# Altium PCB PCB_Kasli.PCBDOC (part 13 of 16)
Units mm, origin at the board's own origin, x right, y up, seen from the top; angles counter-clockwise.
Board outline 200.3 x 100 mm, 6 copper layers (TopLayer, MidLayer1, MidLayer2, SignalLayer1, Internal Plane 1, BottomLayer), stack 1.528 mm thick; 775 components, 636 nets, 3136 pads, 1724 vias.
Unrouted connection lines stored in the file: 7.
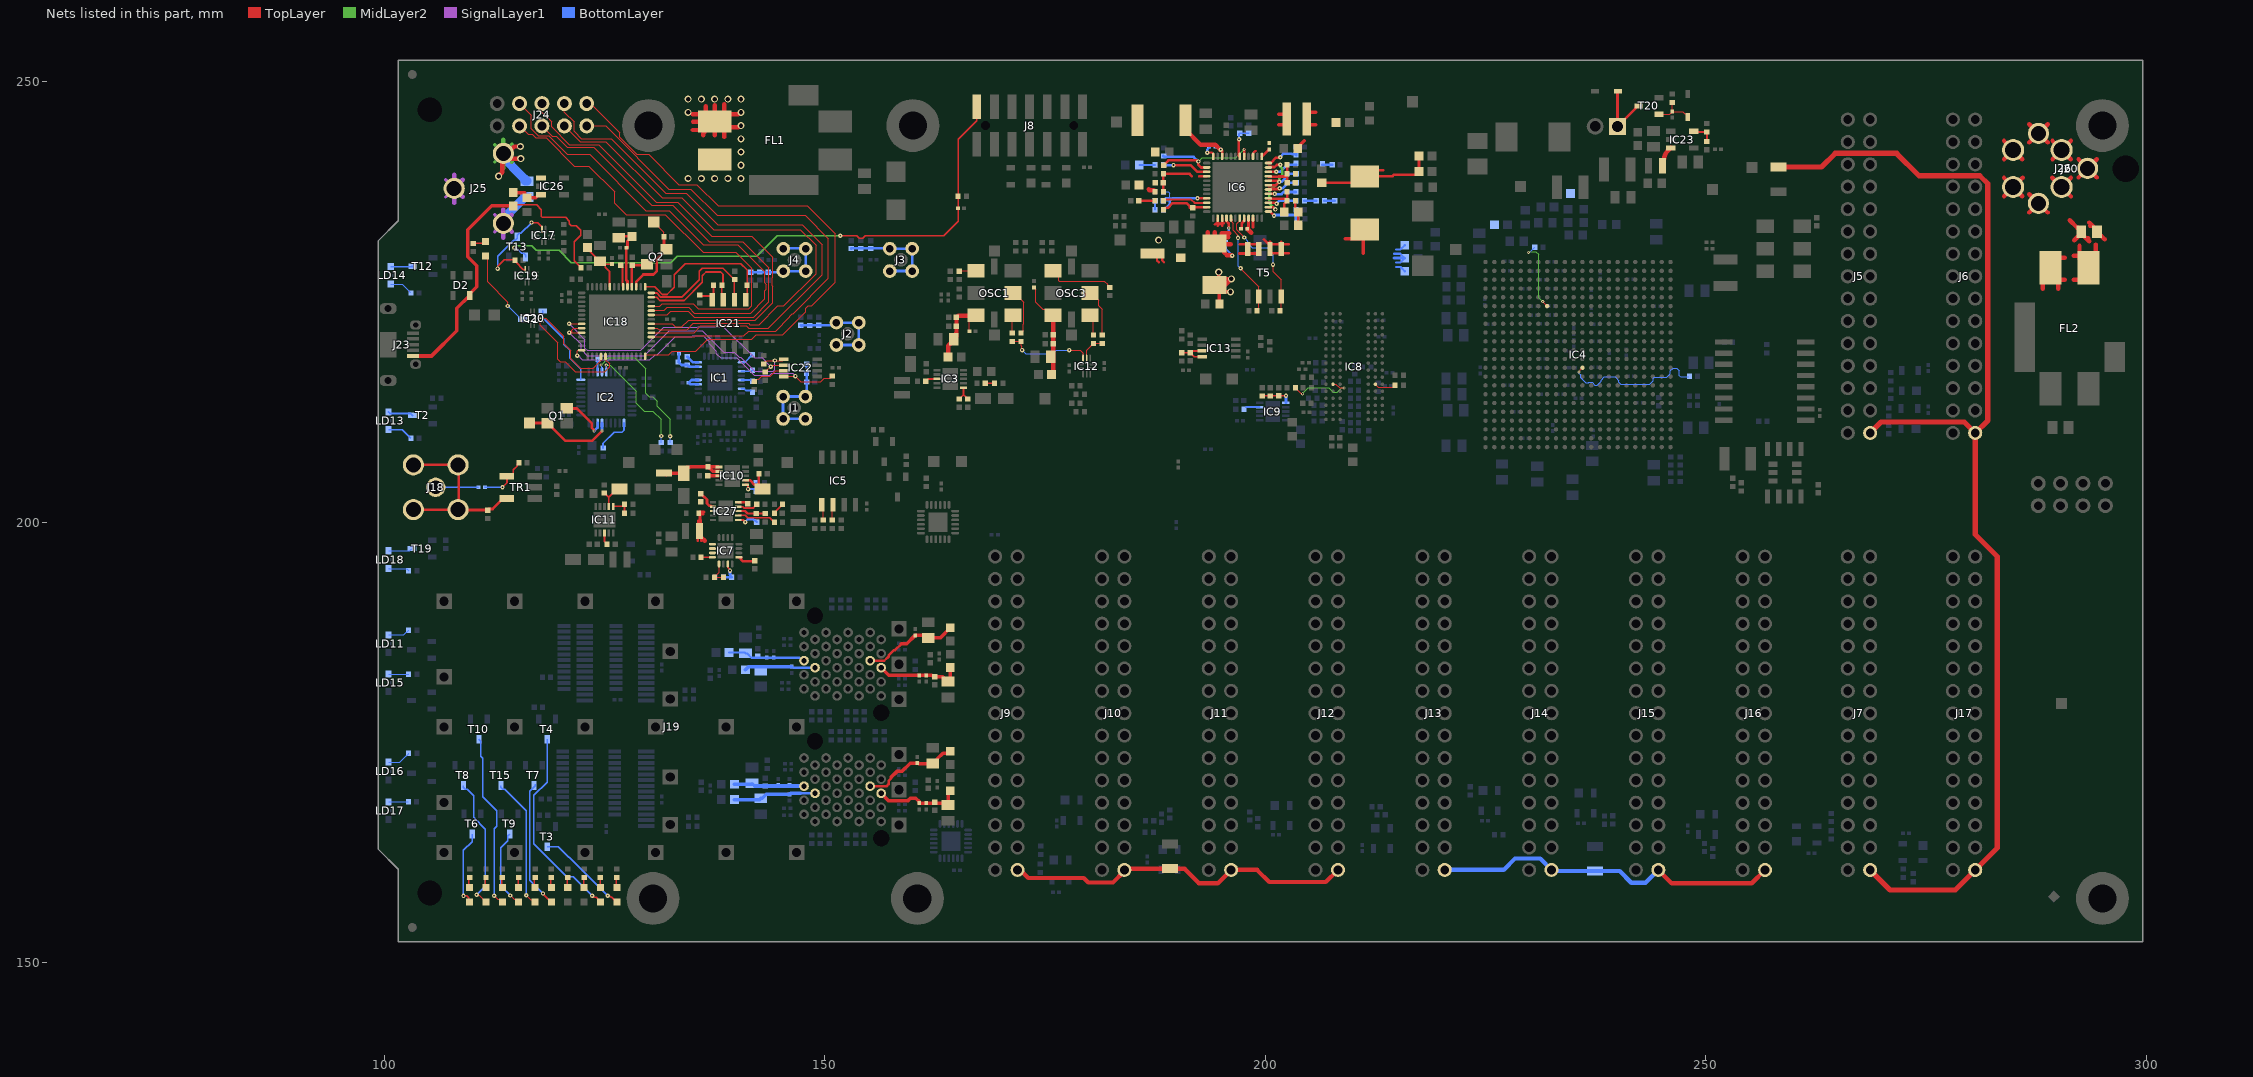
[diagram p17: the nets of this part, all layers, seen from the top]

## Via types
v1: diameter 0.5, hole 0.2, TopLayer to BottomLayer, tented both sides, 845 vias
v2: diameter 0.35, hole 0.15, TopLayer to BottomLayer, tented both sides, 612 vias
v3: diameter 0.8, hole 0.5, TopLayer to BottomLayer, tented both sides, 144 vias
v4: diameter 0.8, hole 0.5, TopLayer to BottomLayer, 66 vias
v5: diameter 0.5, hole 0.2, TopLayer to BottomLayer, 57 vias

## Nets (pads, with @x,y where several pads share a name; then routed paths per layer and width w, separated by ;. In a path a pad name is that pad's centre, name@x,y a point inside that pad or via, vN(x,y) a via of type N, cw(c..) or ccw(c..) an arc to the next point about the centre after c; other vN are vias at no path point) (continued)
NetC43_2: C43.2 C44.2 J1.2 R29.2 | length 11.3
  BottomLayer w0.3: J1.2@147.811,211.709 J1.2@145.271,211.709 J1.2@145.271,214.249 J1.2@147.811,214.249 147.95,214.388 C44.2@147.95,215.9 C43.2@147.95,217.901
NetC45_1: C45.1 IC11.7 R25.2 | length 3.4
  TopLayer w0.2: R25.2@125,203.28 125.02,203.28 125.5,202.8 ; IC11.7@125.5,201.75 125.5,202.8 ; C45.1@126.7,203.75 126.425,203.75 125.5,202.825 125.5,202.8
NetC46_2: C46.2 C47.2 J2.2 R30.2 | length 11.9
  BottomLayer w0.3: C46.2@147.391,222.259 C46.2@147.299,222.35 151.035,222.35 J2.2@151.326,222.641 J2.2@153.866,222.641 J2.2@153.866,220.101 J2.2@151.326,220.101
NetC48_2: C48.2 C144.2 J3.2 R31.2 | length 12
  BottomLayer w0.3: C48.2@152.999,231.05 153.016,231.067 J3.2@157.378,231.067 ; J3.2@157.382,228.493 J3.2@159.922,228.493 J3.2@159.922,231.033 J3.2@157.382,231.033
NetC49_2: C49.2 IC1.3 IC1.4 | length 2.4
  BottomLayer w0.3: C49.2@134.55,215.8 C49.2@134.575,215.8 ; IC1.3@135.65,215.628 134.747,215.628 C49.2@134.575,215.8 ; IC1.4@135.65,216.128 134.878,216.128 134.625,215.875 134.625,215.85 C49.2@134.575,215.8
NetC53_2: C53.2 J8.13 R58.1 T13.1 | length 69.1
  TopLayer w0.15: v1(151.75,232.5) 153.628,232.5 153.903,232.225 154.297,232.225 154.572,232.5 163.5,232.5 165.15,234.15 165.15,243.475 167.25,245.575 J8.13@167.25,247.125
  MidLayer2 w0.15: v1(114.775,231.15) 114.986,231.361 116.739,231.361 117.275,230.825 119.85,230.825 121.225,229.45 132.525,229.45 133.25,230.175 142.3,230.175 144.625,232.5 v1(151.75,232.5)
  BottomLayer w0.15: v1(114.775,231.15) 114.842,231.083 115.042,231.083 115.641,230.484 115.825,230.484 116.05,230.259 T13.1@116.05,230.075
NetC126_1: C126.1 IC6.40 R59.1 R60.2 | length 4.2
  TopLayer w0.3: IC6.40@200.35,236.748 200.4,236.698 R59.1@202.37,236.698 ; C126.1@202.146,235.204 202.146,236.121 R59.1@202.325,236.3 ; R59.1@202.476,236.474 R60.2@202.476,237.49
NetC126_2: C126.2 C127.2 C128.2 L6.2 L7.1 L27.1 R59.2 | length 19
  TopLayer w0.3: R59.2@203.416,236.474 203.416,235.534 C126.2@203.746,235.204 C127.2@203.746,233.68 ; C128.2@206.4,238.5 210.6,238.5 212.05,239.95 213.4,239.95 ; L6.2@211.25,238.5 211.25,238.525 211.975,239.25 214.443,239.25 214.617,239.424 217.086,239.424 L27.1@217.436,239.774 L7.1@217.436,241.552
NetC134_1: C134.1 IC6.33 IC6.34 L6.1 T5.5 T5.6 | length 14.2
  TopLayer w0.3: C134.1@198.1,233.463 IC6.33@198.1,234.498 ; 198.6,233.453 IC6.34@198.6,234.498 ; 199.85,232.075 200.3,231.625 200.385,231.625 T5.6@200.533,231.477 ; 200.533,231.808 T5.6@200.533,231.477 ; T5.6@200.7,230.55 T5.6@200.535,230.715 ; T5.5@201.803,231.503 T5.5@201.803,231.525 ; 201.803,231.808 T5.5@201.803,231.525 ; 202.625,230.5 200.685,230.5 200.535,230.65 T5.6@200.535,230.715 ; 202.65,231.525 T5.5@201.803,231.525 ; T5.6@200.533,231.477 200.535,231.475 T5.6@200.535,231.375 ; T5.6@200.533,231.477 200.533,230.717 T5.6@200.535,230.715 ; T5.6@200.535,230.715 T5.6@200.535,231 T5.6@200.535,231.375 ; T5.6@200.535,231.375 200.685,231.525 T5.5@201.803,231.525
  TopLayer w0.4: 209.054,232.154 211.112,232.154 211.112,230.488
  TopLayer w0.5: C134.1@197.95,233.3 198.404,232.846
NetC134_2: C134.2 IC6.32 | length 1.3
  TopLayer w0.3: C134.2@197.275,233.3 197.325,233.35 197.325,233.898 197.489,234.062 197.489,234.112 197.6,234.223 IC6.32@197.6,234.498
NetC135_2: C135.2 C139.2 L8.2 L9.1 R62.2 | length 4.2
  TopLayer w0.4: C135.2@203.7,242.4 203.975,242.675 203.975,242.825 204.429,243.279 ; 205.7,245.1 205.006,245.1 204.716,245.39 L8.2@204.716,245.745 204.716,246.21 205.006,246.5 205.7,246.5
NetC138_2: C138.2 R63.1 | length 1.2
  BottomLayer w0.3: R63.1@206.718,236.474 C138.2@207.888,236.474
NetC139_1: C139.1 IC6.45 R62.1 R68.2 | length 4.5
  TopLayer w0.3: IC6.45@200.35,239.248 200.4,239.198 201.469,239.198 201.494,239.223 202.476,239.223 R62.1@202.476,239.522 ; C139.1@202.496,238.506 202.496,239.522 R68.2@202.496,240.518
NetC140_1: C140.1 IC6.26 IC6.27 L14.1 T5.7 T5.8 | length 23.6
  TopLayer w0.254: 194.225,233.775 ccw(c194.051,234.324) IC6.26@194.58,234.097 ; IC6.26@194.6,234.15 cw(c194.051,234.324) IC6.26@194.58,234.097 ; 194.8,233.775 ccw(c194.589,234.287) 195.073,234.02 ; 194.85,233.8 cw(c195.074,234.274) 194.6,234.05 cw(c195.074,234.274) IC6.26@194.58,234.097 ; 195.1,233.975 cw(c195.487,234.236) 195.073,234.02 ; IC6.27@195.1,234.075 cw(c194.589,234.287) 195.073,234.02 ; IC6.27@195.102,234.23 ccw(c195.562,234.311) 195.3,233.925
  TopLayer w0.3: 194.6,233.625 194.6,234.05 194.6,234.15 IC6.26@194.6,234.498 ; 195.1,233.625 195.1,233.975 195.1,234.075 IC6.27@195.1,234.498 ; L14.1@195.326,230.924 195.326,231.543 L14.1@195.326,232.002 ; 197.05,230.475 199.115,230.475 199.265,230.625 T5.7@199.265,231 199.265,231.375 199.115,231.525 197.1,231.525
  TopLayer w0.5: 193.45,232.875 193.45,231.501 194.078,231.883 194.111,231.903 L14.1@194.25,231.988 ; 194.25,232.9 L14.1@194.25,231.988 ; 195.8,232.35 194.924,232.35 194.25,231.676 L14.1@194.25,231.988 ; 195.9,232.775 195.05,232.775 195.05,232.476 L14.1@194.25,231.988 ; 196.057,231.543 195.326,231.543 L14.1@194.632,231.543 ; v1@196.2,230.3 195.643,230.3 195.35,230.593 195.35,230.825 L14.1@194.632,231.543 ; L14.1@194.632,231.543 194.307,231.543 L14.1@194.25,231.6 194.575,231.6 L14.1@194.632,231.543
  BottomLayer w0.15: C140.1@195.58,231.806 195.58,230.962 196.25,230.292 v1(196.25,230.25)
NetC140_2: C140.2 IC6.28 | length 2.2
  TopLayer w0.3: IC6.28@195.6,234.498 195.6,234.162 195.85,233.912 v2(195.85,233.375)
  BottomLayer w0.3: C140.2@195.58,232.506 195.58,232.605 195.85,232.875 v2(195.85,233.375)
NetC142_2: C142.2 R70.1 | length 1.1
  BottomLayer w0.3: R70.1@206.464,240.538 206.47,240.538 C142.2@207.576,240.538
NetC143_1: C143.1 IC6.3 L8.1 | length 3.5
  TopLayer w0.254: IC6.3@198.6,241.498 cw(c199.088,241.637) 198.95,242.125
  TopLayer w0.4: 201.5,245.1 202.156,245.1 202.446,245.39 L8.1@202.446,245.745 202.446,246.01 202.156,246.3 201.5,246.3
NetC143_2: C143.2 IC6.1 | length 1.1
  TopLayer w0.3: IC6.1@199.6,241.498 C143.2@200.406,242.304
NetC145_2: C145.2 C146.2 C147.2 C150.2 L11.1 L12.1 L13.1 L14.2 L15.1 L28.1 R75.2 | length 20.1
  TopLayer w0.25: C147.2@187.2,230.5 C147.2@187.254,230.5 ; 187.9,229.5 187.704,229.696 187.704,230.05 C147.2@187.254,230.5 ; 188.5,229.5 188.304,229.696 188.304,230.05 187.854,230.5 C147.2@187.254,230.5
  TopLayer w0.4: L14.2@194.25,226.9 194.288,226.862 L14.2@194.326,226.824 ; v3(194.716,228.371) L14.2@194.716,227.6 ; C146.2@194.8,224.75 194.8,226.275 L14.2@194.25,226.824 ; L14.2@195.374,226.824 L14.2@194.326,226.824 ; v3(196.05,226.125) 195.025,226.125 L14.2@194.326,226.824 ; v3(196.15,227.6) L14.2@194.716,227.6 ; L14.2@194.25,226.824 L14.2@194.326,226.824 ; L14.2@194.25,226.824 194.716,227.291 L14.2@194.716,227.6
  TopLayer w0.5: L14.2@195.374,226.824 v3(196.15,227.6)
  BottomLayer w0.2: R75.2@187.49,235.458 C150.2@187.49,236.454
  BottomLayer w0.25: 214.619,230.45 215.319,230.45 L11.1@215.819,229.95 215.319,229.45 214.869,229.45 ; 214.869,228.95 215.344,228.95 L28.1@215.819,228.475 ; 214.869,230.95 215.344,230.95 L12.1@215.819,231.425
  BottomLayer w0.35: 214.619,229.95 L11.1@215.819,229.95
  other v3: 187.9,232
NetC150_1: C150.1 IC6.21 R75.1 R77.2 | length 8.7
  TopLayer w0.3: v1(192.309,236.748) IC6.21@193.35,236.748
  BottomLayer w0.1: C150.1@188.41,236.474 189.174,236.474 ; R77.2@188.43,237.49 189,237.49 189.174,237.316 189.174,236.748
  BottomLayer w0.3: C150.1@188.41,236.474 188.684,236.748 189.174,236.748 ; R75.1@188.43,235.458 188.536,235.458 189.174,236.096 189.174,236.474 189.448,236.748 v1(192.309,236.748)
NetC151_1: C151.1 IC6.10 L16.1 | length 6.5
  TopLayer w0.25: v1(194.95,242.275) v1@195.1,242.125
  TopLayer w0.3: IC6.10@195.1,241.498 v1@195.1,242.125
  TopLayer w0.5: L16.1@190.939,244.544 192.659,242.824 194.31,242.824 194.859,242.275 v1(194.95,242.275)
  BottomLayer w0.25: C151.1@194.406,242.57 194.701,242.275 v1(194.95,242.275)
NetC151_2: C151.2 IC6.12 | length 1.8
  TopLayer w0.25: v1(193.421,241.935) 193.915,241.935 194.1,241.75 IC6.12@194.1,241.498
  BottomLayer w0.25: v1(193.421,241.935) 193.421,242.285 193.693,242.557 C151.2@193.706,242.57
NetC152_2: C152.2 R79.1 | length 1.8
  BottomLayer w0.25: C152.2@185.712,240.538 R79.1@187.49,240.538
NetC153_2: C153.2 C155.2 L16.2 L17.1 R83.2 | length 0.8
  TopLayer w0.508: 186.75,237.75 186.846,237.654 187.326,237.654 R83.2@187.49,237.49
NetC155_1: C155.1 IC6.16 R83.1 R84.2 | length 6.2
  TopLayer w0.3: R83.1@188.43,237.49 188.43,238.506 R84.2@188.43,239.522 191.389,239.522 191.663,239.248 ; 192.5,239.25 192.502,239.248 IC6.16@193.35,239.248
NetC156_2: C156.2 IC6.38 IC6.43 IC6.44 IC6.47 | length 13.4
  TopLayer w0.3: IC6.38@200.35,235.748 200.878,235.748 v1(201.143,235.483) ; IC6.43@200.35,238.248 201.215,238.248 v1(201.574,238.608) 201.434,238.748 IC6.44@200.35,238.748 ; IC6.47@200.35,240.248 200.4,240.298 201.049,240.298 201.301,240.55 v1(201.7,240.55)
  MidLayer2 w0.3: v1(201.143,235.483) 200.457,236.169 200.457,237.585 201.48,238.608 v1(201.574,238.608) 201.574,239.014 201.905,239.344 201.905,240.157 201.7,240.362 v1(201.7,240.55)
  BottomLayer w0.3: v1(201.574,238.608) 201.828,238.608 202.743,239.522 C156.2@203.512,239.522
NetC157_2: C157.2 IC6.42 | length 3.5
  TopLayer w0.3: IC6.42@200.35,237.748 200.4,237.798 201.548,237.798 v1(201.625,237.875)
  BottomLayer w0.3: v1(201.625,237.875) 201.959,237.875 202.59,238.506 C157.2@203.512,238.506
NetC159_1: C159.1 D17.2 R150.1 T20.1 | length 4.8
  TopLayer w0.1: T20.1@244.675,246.275 245.875,246.275 246.025,246.425 246.05,246.425 246.2,246.575 247.35,246.575 247.609,246.316 247.75,246.316 D17.2@247.95,246.116 ; C159.1@246.1,246.7 C159.1@246.2,246.6 R150.1@246.2,247.63
NetC175_2: C175.2 IC9.1 R128.2 R129.2 | length 3.5
  TopLayer w0.2: R128.2@199.689,214.35 200.569,214.35 C175.2@201.544,214.35 v1(202.344,214.35)
  BottomLayer w0.3: IC9.1@202.344,213.55 v1(202.344,214.35)
NetC179_2: C179.2 C180.2 C182.2 C183.2 J19.LB15 L20.2 | length 8.9
  BottomLayer w0.25: L20.2@139.15,185.2 140.9,185.2 C179.2@141,185.1 141.175,185.1 141.675,184.6 147.129,184.6 147.459,184.27 J19.LB15@147.65,184.27
NetC184_2: C184.2 C185.2 J19.LB16 L21.2 | length 8.1
  BottomLayer w0.25: C185.2@146.25,183.6 146.25,183.575 146.325,183.5 146.441,183.5 146.471,183.47 J19.LB16@148.9,183.47
  BottomLayer w0.4: L21.2@141,183.25 141.35,183.6 C185.2@146.25,183.6
NetC186_2: C186.2 IC13.7 IC13.8 R240.1 | length 4
  TopLayer w0.2: R240.1@190.5,219.22 191.48,219.22 C186.2@191.5,219.2 ; IC13.8@192.85,218.775 191.925,218.775 C186.2@191.5,219.2 ; IC13.7@192.85,219.425 192,219.425 191.985,219.41 191.71,219.41 C186.2@191.5,219.2
NetC187_2: C187.2 IC1.7 R27.1 R224.1 | length 3.4
  BottomLayer w0.3: C187.2@133.45,219.1 133.45,218.22 R224.1@133.4,218.17 133.42,218.17 133.56,218.03 133.56,218.01 133.74,217.83 R27.1@134.4,217.83 134.54,217.69 134.674,217.69 134.736,217.628 IC1.7@135.65,217.628
NetC194_2: C194.2 C195.2 J4.2 R32.2 | length 11.4
  BottomLayer w0.3: C194.2@141.606,228.359 C195.2@143.606,228.359 145.174,228.359 J4.2@145.299,228.484 J4.2@147.839,228.484 J4.2@147.839,231.024 ; J4.2@145.299,231.024 145.334,231.059 J4.2@147.839,231.059
NetC202_2: C202.2 IC26.1 IC26.3 L22.2 | length 2.8
  TopLayer w0.4: L22.2@114.651,237.39 115.934,237.39 ; C202.2@116.2,236.8 117.216,236.8 117.45,237.034 117.45,237.05 IC26.3@117.55,237.15
NetC207_2: C207.2 IC18.3 Q2.1 TP15.1 | length 9.8
  TopLayer w0.125: TP15.1@130.6,234.075 131.757,232.918 C207.2@131.757,232.41
  TopLayer w0.3: IC18.3@128.615,226.708 128.615,227.294 129.413,228.092 130.556,228.092 130.937,228.473 130.937,229.874 131.757,230.694 131.757,230.974 C207.2@131.757,232.41
NetC208_2: C208.2 IC18.4 Q2.3 | length 4
  TopLayer w0.3: IC18.4@128.115,226.708 C208.2@128.115,229.138 ; C208.2@128.143,229.166 Q2.3@129.729,229.166
NetC209_2: C209.2 C210.2 IC18.5 L24.2 | length 7.5
  TopLayer w0.3: C209.2@126.619,232.372 126.669,232.422 L24.2@128.143,232.422 127.615,231.894 C210.2@127.615,231.14 ; C210.2@127.477,231.14 127.477,227.456 127.608,227.325 127.608,226.715 IC18.5@127.615,226.708
NetC211_2: C211.2 C212.2 IC18.9 L25.2 | length 5.7
  TopLayer w0.2: L25.2@123.063,231.152 123.063,231.012 124.475,229.6 C211.2@124.5,229.6 ; IC18.9@125.615,226.708 125.585,226.738 125.585,228.425 125.1,228.91 125.1,229.266 C212.2@125.857,229.266
NetC225_1: C225.1 C278.2 IC10.1 IC10.2 L35.2 | length 8.5
  TopLayer w0.25: L35.2@131.75,205.55 L35.2@132.025,205.275 ; IC10.1@137.975,206.225 IC10.1@138,206.25
  TopLayer w0.4: L35.2@131.75,205.55 C225.1@134,205.55 134,205.825 134.425,206.25 134.7,206.25 134.75,206.3 C278.2@136.75,206.3 ; IC10.1@137.9,206.3 C278.2@136.75,206.3 ; IC10.2@138,205.75 137.3,205.75 C278.2@136.75,206.3
NetC226_2: C226.2 C287.2 C288.2 C295.2 L36.2 OSC1.6 | length 9.1
  TopLayer w0.095: C295.2@166.425,221.65 166.425,222.71 OSC1.6@167.15,223.435
  TopLayer w0.5: L36.2@164,219 164,220.007 164.293,220.3 164.375,220.3 164.65,220.575 C288.2@164.65,220.75 164.925,221.025 164.925,221.468 164.95,221.493 C226.2@164.95,223.25 165.135,223.435 OSC1.6@167.15,223.435
NetC228_1: C228.1 J18.1 | length 4.8
  BottomLayer w0.19: J18.1@105.85,203.95 C228.1@110.673,203.95
NetC228_2: C228.2 R80.1 TR1.6 | length 5.8
  TopLayer w0.19: v1(113.425,203.95) 113.935,204.46 TR1.6@113.935,205.212 114.38,205.212 114.665,205.497 114.665,205.942 115.085,206.363 115.085,206.555 R80.1@115.28,206.75
  BottomLayer w0.19: C228.2@111.425,203.948 111.426,203.949 113.424,203.949 v1(113.425,203.95)
NetC230_2: C230.2 R12.1 | length 1.9
  TopLayer w0.25: C230.2@185.616,236.474 R12.1@187.49,236.474
NetC245_2: C245.2 IC7.9 | length 2.1
  TopLayer w0.3: IC7.9@140.25,196 140.5,196 140.5,195.776 140.726,195.55 141.95,195.55 C245.2@142,195.6
NetC260_2: C260.2 C261.2 C262.2 C263.2 J19.LT15 L30.2 | length 10
  TopLayer w0.4: J19.LT15@156.4,183.475 157.275,182.6 C262.2@160.75,182.6 C263.2@161.5,182.6 162.156,182.6 162.196,182.56 162.39,182.56 C261.2@162.5,182.45 163.41,182.45 163.475,182.385 163.475,182.25 163.825,181.9 C260.2@164,181.9 164.25,182.15 L30.2@164.25,183.5
NetC264_2: C264.2 C265.2 J19.LT16 L31.2 | length 11
  TopLayer w0.25: J19.LT16@155.15,184.27 156.77,184.27 157,184.5
  TopLayer w0.3: 157,184.5 157.125,184.625 ; 157.139,184.611 157.255,184.728 157.255,184.874 157.849,185.469 157.969,185.469 158.688,186.187
  TopLayer w0.4: 158.688,186.187 159.312,186.187 160.25,187.125 C265.2@160.25,187.15 161.45,187.15 C264.2@161.75,186.85 163.1,186.85 L31.2@164.25,188
NetC268_2: C268.2 C269.2 C270.2 C271.2 J19.RB15 L32.2 | length 8.2
  BottomLayer w0.25: C268.2@141.75,170.35 141.85,170.25 142.05,170.05 C268.2@142.08,170.02
  BottomLayer w0.4: L32.2@139.75,170.25 C268.2@141.85,170.25 ; C268.2@142.05,170.05 C269.2@143.25,170.05 147.62,170.05 J19.RB15@147.65,170.02
NetC272_2: C272.2 C273.2 J19.RB16 L33.2 | length 9.5
  BottomLayer w0.25: 147.248,169.22 J19.RB16@148.9,169.22
  BottomLayer w0.4: L33.2@139.75,168.5 142.6,168.5 C272.2@142.75,168.65 142.925,168.65 143.375,169.1 C273.2@146,169.1 146,169.125 146.025,169.125 146.12,169.22 147.248,169.22
NetC274_2: C274.2 C275.2 C276.2 C277.2 J19.RT15 L19.2 | length 10.2
  TopLayer w0.4: J19.RT15@156.4,169.22 157.22,168.4 159.45,168.4 159.725,168.675 160.324,168.675 160.75,168.249 C277.2@160.75,168.1 C276.2@161.5,168.1 163.8,168.1 C274.2@164,167.9 164,169.25 L19.2@164.25,169.5
NetC280_2: C280.2 C281.2 J19.RT16 L34.2 | length 11.2
  TopLayer w0.25: J19.RT16@155.15,170.02 157.02,170.02
  TopLayer w0.3: 157.02,170.02 157.255,170.255 157.255,170.624 157.525,170.894 157.525,171.025
  TopLayer w0.4: 157.525,171.025 158.2,171.7 158.75,171.7 159.7,172.65 C281.2@160.5,172.65 160.5,172.625 160.667,172.625 160.692,172.6 C280.2@162.25,172.6 162.425,172.6 162.775,172.95 162.775,173.125 163.426,173.776 164.026,173.776 L34.2@164.25,174
NetC286_1: C286.1 IC10.7 R255.2 | length 3.1
  TopLayer w0.3: IC10.7@141,204.75 141.5,204.75 142.025,204.225 142.475,204.225 142.53,204.17 R255.2@142.53,205.5
NetC289_2: C289.2 C290.2 C291.2 C294.2 L37.2 OSC3.6 | length 10.9
  TopLayer w0.095: C294.2@173.75,226.65 173.75,226.625 173.95,226.425 173.95,224.925 174.738,224.137 175.198,224.137 OSC3.6@175.9,223.435
  TopLayer w0.5: L37.2@175.75,217 175.95,217.2 C290.2@175.95,220.25 C291.2@175.95,221.25 175.95,223.385 OSC3.6@175.9,223.435
NetC301_1: C301.1 FL1.3 J25.2 J25.3 | length 21.9
  SignalLayer1 w0.35: 106.973,236.898 J25.2@107.95,237.875 106.973,238.852 ; 112.546,232.933 J25.3@113.523,233.91 112.546,234.887
  SignalLayer1 w0.5: 107.95,236.216 J25.2@107.95,237.875 ; 107.95,239.438 J25.2@107.95,237.875 ; 108.921,236.904 J25.2@107.95,237.875 ; 108.927,238.852 J25.2@107.95,237.875 ; 113.523,232.251 J25.3@113.523,233.91 ; 113.523,235.473 J25.3@113.523,233.91 ; 114.494,232.939 J25.3@113.523,233.91 ; 114.5,234.887 J25.3@113.523,233.91
  BottomLayer w1: J25.3@113.023,233.91 115.963,236.85 116.15,236.85 C301.1@116.2,236.9
  other v3: 134.5,239 136,239 137.5,239 139,239 140.5,239 140.5,240.5 140.5,242
NetC301_2: C301.2 FL1.1 J25.1 | length 42
  TopLayer w0.5: v3(113,239.25) 113,239.297 113.396,239.693 J25.1@113.396,241.25 ; v3(115.45,242.625) 114.771,242.625 J25.1@113.396,241.25 ; v3(115.5,241.25) J25.1@113.396,241.25 ; 135,244.5 FL1.1@136.559,244.5 ; 135,246.3 FL1.1@136.669,246.3 ; 135.045,245.455 FL1.1@137.514,245.455 ; 136.2,243.9 136.2,244.141 FL1.1@136.559,244.5 ; 136.5,247.2 136.5,246.469 FL1.1@136.669,246.3 ; 137.514,243.914 FL1.1@137.514,245.455 ; 137.514,247.286 FL1.1@137.514,245.455 ; 138.6,243.7 138.6,244.369 FL1.1@138.169,244.8 ; 138.6,247.4 138.6,246.541 FL1.1@138.359,246.3 ; v3@140.2,244.8 FL1.1@138.169,244.8 ; v3@140.2,246.3 FL1.1@138.359,246.3 ; FL1.1@136.559,244.5 FL1.1@137.514,245.455 ; FL1.1@136.669,246.3 FL1.1@137.514,245.455 ; FL1.1@137.514,245.455 FL1.1@138.359,246.3 ; FL1.1@137.514,245.455 FL1.1@138.169,244.8
  MidLayer2 w0.35: 112.551,240.87 J25.1@113.528,241.847 112.551,242.824
  MidLayer2 w0.5: 113.528,240.188 J25.1@113.528,241.847 ; 113.528,243.41 J25.1@113.528,241.847 ; 114.499,240.876 J25.1@113.528,241.847 ; 114.505,242.824 J25.1@113.528,241.847
  BottomLayer w1: J25.1@113.053,241.847 115.975,238.925 115.975,238.75 116.025,238.7 C301.2@116.2,238.7
  other v3: 140.5,243.5 140.5,245 134.5,246.5 140.5,246.5 134.5,248 136,248 137.5,248 139,248 140.5,248
NetC302_1: C302.1 FL2.3 J20.1 J20.2 J26.2 J26.3 | length 35.2
  TopLayer w0.5: 286.715,243.078 J26.3@287.752,244.115 ; 286.715,245.152 J26.3@287.752,244.115 ; 288.25,226.5 288.25,228 FL2.3@289.1,228.85 ; 288.789,243.078 J26.3@287.752,244.115 ; 288.789,245.152 J26.3@287.752,244.115 ; 289.306,239.094 J20.2@290.375,238.025 ; 289.338,241.188 J20.1@290.375,242.225 ; 289.338,243.262 J20.1@290.375,242.225 ; 290,226.5 FL2.3@290,227.6 ; 290.75,227.5 290.1,227.5 FL2.3@290,227.6 ; 290.75,230 290.1,230 289.1,229 FL2.3@289.1,228.85 ; 291.412,241.188 J20.1@290.375,242.225 ; 291.444,236.956 J20.2@290.375,238.025 ; 291.444,239.094 J20.2@290.375,238.025 ; 291.444,243.294 J20.1@290.375,242.225 ; 292.288,239.113 J26.2@293.325,240.15 ; 292.288,241.187 J26.2@293.325,240.15 ; 293.5,234 C302.1@293.875,233.625 ; 293.6,233.625 C302.1@293.875,233.625 ; 294.362,239.113 J26.2@293.325,240.15 ; 294.362,241.187 J26.2@293.325,240.15 ; 295.25,232.102 294.875,232.477 294.7,232.477 294.4,232.777 C302.1@294.4,232.952 294.4,233.127 294.1,233.427 294.073,233.427 C302.1@293.875,233.625 ; FL2.3@289.1,228.85 289.1,228.5 FL2.3@290,227.6 ; FL2.3@289.1,228.85 290,227.95 FL2.3@290,227.6
NetC302_2: C302.2 FL2.1 J20.3 J20.4 J26.1 | length 30.5
  TopLayer w0.5: 283.838,236.988 J20.4@284.875,238.025 ; 283.838,239.062 J20.4@284.875,238.025 ; 283.838,241.188 J20.3@284.875,242.225 ; 283.838,243.262 J20.3@284.875,242.225 ; 285.912,236.988 J20.4@284.875,238.025 ; 285.912,241.188 J20.3@284.875,242.225 ; 285.944,239.094 J20.4@284.875,238.025 ; 286.71,235.141 J26.1@287.747,236.178 ; 286.71,237.215 J26.1@287.747,236.178 ; 288.784,235.141 J26.1@287.747,236.178 ; 291.302,234.25 292.125,233.427 292.3,233.427 292.6,233.127 C302.2@292.6,232.952 ; 291.75,227.5 292.4,227.5 293.4,228.5 FL2.1@293.4,228.85 ; 291.75,230.25 FL2.1@292.4,230.25 ; 291.796,231.973 292.6,232.777 C302.2@292.6,232.952 ; 292.4,231.35 FL2.1@292.4,230.25 ; 293.411,232.214 293.164,232.214 ; 293.5,231.877 293.164,232.214 ; 294.25,231.5 294.25,229.7 FL2.1@293.4,228.85 ; FL2.1@292.4,230.25 292.4,229.85 FL2.1@293.4,228.85 ; FL2.1@292.4,230.25 293.4,229.25 FL2.1@293.4,228.85 ; C302.2@292.6,232.952 292.9,232.652 292.9,232.477 293.164,232.214
NetC303_1: C303.1 IC27.2 | length 2.2
  TopLayer w0.3: C303.1@135.95,203.2 136.301,202.849 136.359,202.849 136.642,202.565 136.642,202.12 136.926,201.836 137.039,201.836 137.125,201.75 IC27.2@137.325,201.75